# Altium PCB PMSM_Motor_Controller_v2_PCB.PcbDoc (part 1 of 3) (continued)
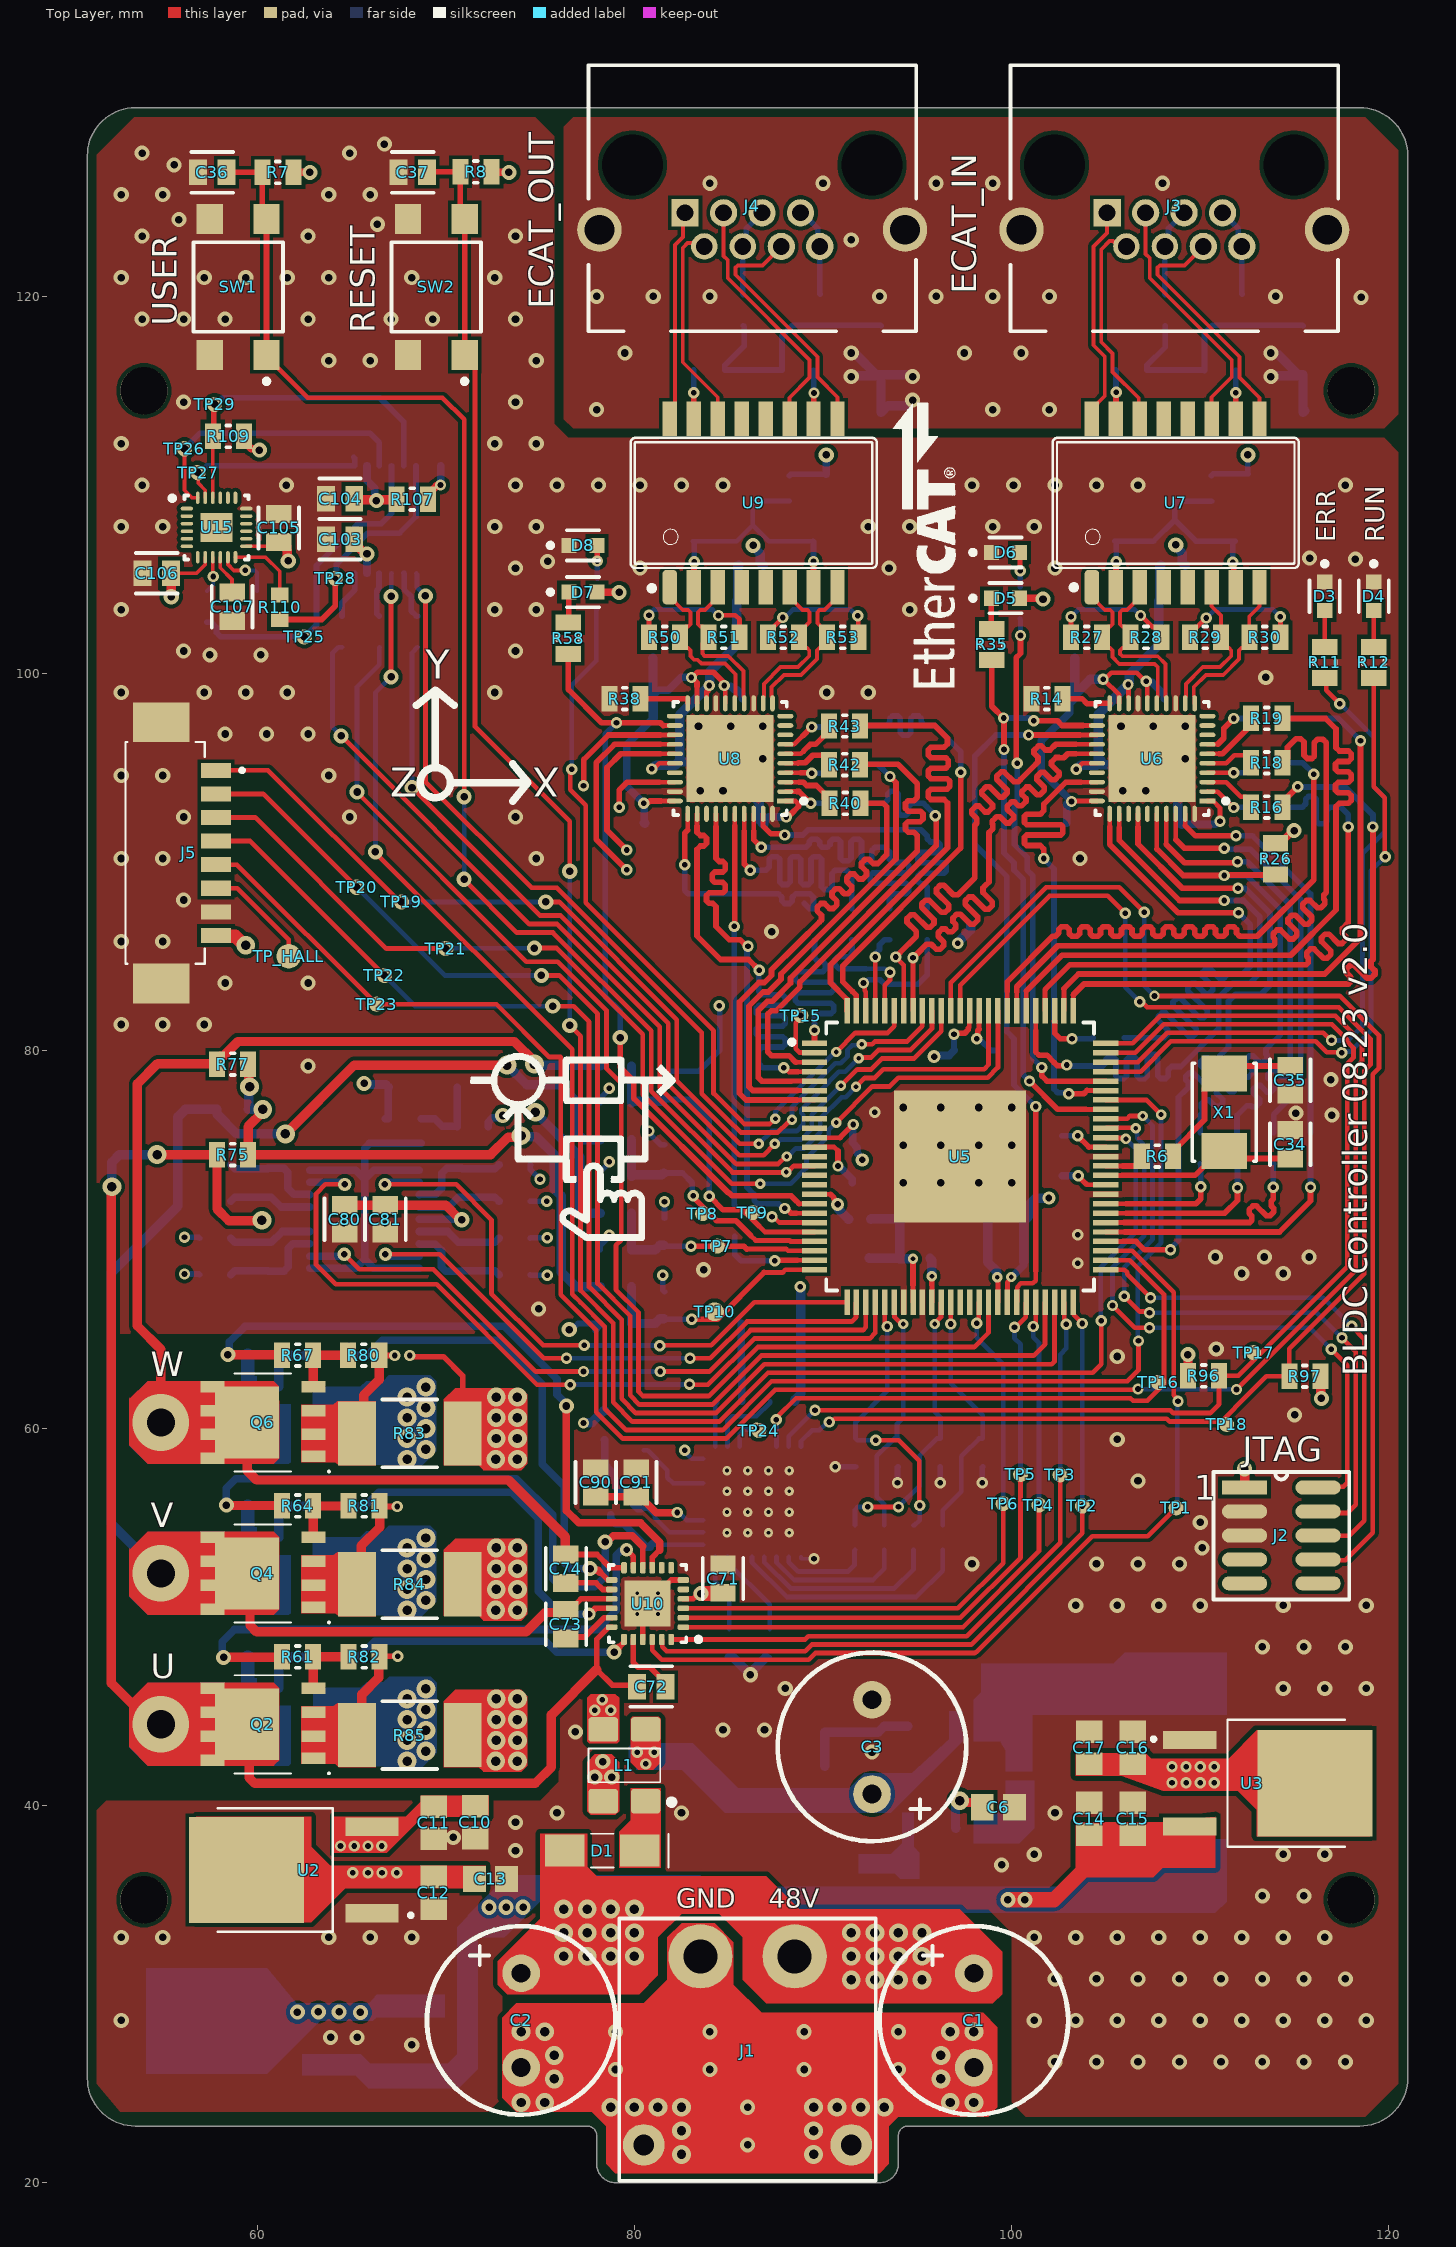
[diagram p0: Top Layer view]
## Footprints (in the part's own frame and the unit in brackets; to place one, negate y for a bottom-side part, rotate by r counter-clockwise, add the part's x,y. Pads: shape width x height; smd on the part's side, far side on the other; paste and mask are expansions set on the pad)
2X5_JTAG_HEADER [mm] "2X5_JTAG_HEADER"
  rect 2.4x0.75 smd: 1(-1.95,2.55)
  oval 2.4x0.75 smd: 2(1.95,2.55) 3(-1.95,1.28) 4(1.95,1.28) 5(-1.95,0.01) 6(1.95,0.01) 7(-1.95,-1.26) 8(1.95,-1.26) 9(-1.95,-2.53) 10(1.95,-2.53)
  silkscreen extent -3.6,-3.38 3.6,3.38, body extent -3.6,-3.18 3.6,3.17, height 7.7
438600010 [mm]
  rect 1.446x1.446 hole 0.89: 1(0,0)
  round 1.4 hole 0.89: 2(-1.02,1.78) 4(-3.06,1.78)
  round 1.446 hole 0.89: 3(-2.04,0) 5(-4.08,0) 6(-5.1,1.78) 7(-6.12,0) 8(-7.14,1.78)
  round 2.355 hole 1.57: MH1(4.54,0.89) MH2(-11.66,0.89)
  round 1.625 hole 3.25: MH3(2.79,-2.54) MH4(-9.91,-2.54)
  silkscreen extent -12.25,-7.82 5.13,6.28, body extent -12.57,-8.24 5.49,7.93, height 14.23
744235601 [mm]
  rrect22% 1.3x1.55 smd: 1(-1.9,-1.125) 2(1.9,-1.125) 3(1.9,1.125) 4(-1.9,1.125)
  silkscreen extent -0.9,-1.9 0.9,1.9, body extent -2.25,-1.6 2.25,1.6, height 2.81
AMPHENOL_10114830-11108LF [mm]
  rect 0.8x1.6 smd: 1(-4.375,2.7) 2(-3.125,2.7) 3(-1.875,2.7) 4(-0.625,2.7) 5(0.625,2.7) 6(1.875,2.7) 7(3.125,2.7) 8(4.375,2.7)
  rect 2.1x3 smd: S1(-6.925,-0.2) S2(6.925,-0.2)
  silkscreen extent -5.87,-2.1 5.87,4.18, body extent -7.57,-2.1 7.57,3.2, height 3.4
CAP_0805N [mm] "Chip Capacitor, 2-Leads, Body 2.00x1.25mm, IPC Medium Density"
  rect 1.2x1.4 smd: 1(-0.85,0) 2(0.85,0)
  body extent -1,-0.62 1,0.63, height 0.88
CAP_POL_10x12 [mm]
  round 2 hole 1: 1(-2.5,0) 2(2.5,0)
  silkscreen extent -5,-5 5,5, body extent -4.99,-5 5,5, height 12.51
CAP_POL_10x20 [mm]
  round 2 hole 1: 1(-2.5,0) 2(2.5,0)
  silkscreen extent -5,-5 5,5, body extent -5,-5 5,5, height 20.01
CAPCP3528X20N [mm] "Chip Capacitor, 2-Leads, Body 3.50x2.80mm, IPC Medium Density"
  rect 1.35x2.59 smd: 1(-1.4,0) 2(1.4,0)
  silkscreen extent -0.15,-1.65 2.35,1.2, body extent -1.75,-1.4 1.75,1.4, height 2.11
DO-214AC [mm]
  rect 2.1x1.7 smd: 1(-1.985,0) 2(1.985,0)
  silkscreen extent -0.6,-0.9 3.51,0.9, body extent -2.6,-1.3 2.6,1.3, height 2.42
FB_0603 [mm] "Chip Inductor, 2-Leads, Body 1.6x0.8mm"
  rect 0.85x0.95 smd: 1(-0.775,0) 2(0.775,0)
  body extent -0.8,-0.4 0.8,0.4, height 0.79
FDMS86182 [mm]
  rect 0.61x1.27 smd: D(-1.905,2.67) D(-0.635,2.67) D(0.635,2.67) D(1.905,2.67) G(1.905,-2.67) S(-1.8,-2.67) S(-0.635,-2.67) S(0.635,-2.67)
  rect 3.81x3.39 smd: D(0,0.84)
  silkscreen extent -2.65,-3.55 2.6,1.5, body extent -2.55,-3.1 2.55,3.1, height 1.01
FP-ABM3-MFG [mm]
  rect 1.9x2.4 smd paste+0 mask+0: 1(-2.05,0) 2(2.05,0)
  silkscreen extent -2.6,-1.7 2.6,1.7, body extent -3.1,-1.8 3.1,1.8, height 0.25
FP-BLM18-0_15-t0_8-IPC_B [mm]
  rect 1.106x0.958 smd paste+0 mask+0: 1(-0.676,0) 2(0.676,0)
  silkscreen extent -1.23,-0.88 1.23,0.88, body extent -0.8,-0.4 0.8,0.4, height 0.95
FP-BLM18-0_15-t0_8-IPC_C [mm]
  rect 0.906x0.858 smd paste+0 mask+0: 1(-0.576,0) 2(0.576,0)
  silkscreen extent -1.03,-0.87 1.03,0.87, body extent -0.8,-0.4 0.8,0.4, height 0.95
FP-C0805C-DN-MFG [mm]
  rect 0.95x1.35 smd paste+0 mask+0: 1(-0.75,0) 2(0.75,0)
  silkscreen extent -1.1,-1.07 1.1,1.07, body extent -1,-0.63 1,0.63, height 0.88
FP-CC1206-0_3-1_45-IPC_C [mm]
  rect 1.203x1.706 smd paste+0 mask+0: 1(-1.3,0) 2(1.3,0)
  silkscreen extent -0.4,-0.9 0.4,0.9, body extent -1.6,-0.8 1.6,0.8, height 1.45
FP-LTST-C191GKT-MFG [mm]
  rect 0.8x0.8 smd paste+0 mask+0: 1(-0.75,0) 2(0.75,0)
  silkscreen extent -1.85,-0.8 0.85,0.8, body extent -1.25,-0.55 1.25,0.55, height 0.25
FP-PG-LQFP-100-MFG [mm]
  rect 1.35x0.29 smd paste+0 mask+0: 1(-7.725,6) 2(-7.725,5.5) 3(-7.725,5) 4(-7.725,4.5) 5(-7.725,4) 6(-7.725,3.5) 7(-7.725,3) 8(-7.725,2.5) 9(-7.725,2) 10(-7.725,1.5) 11(-7.725,1) 12(-7.725,0.5) 13(-7.725,0) 14(-7.725,-0.5) 15(-7.725,-1) 16(-7.725,-1.5) 17(-7.725,-2) 18(-7.725,-2.5) 19(-7.725,-3) 20(-7.725,-3.5) 21(-7.725,-4) 22(-7.725,-4.5) 23(-7.725,-5) 24(-7.725,-5.5) 25(-7.725,-6) 51(7.725,-6) 52(7.725,-5.5) 53(7.725,-5) 54(7.725,-4.5) 55(7.725,-4) 56(7.725,-3.5) 57(7.725,-3) 58(7.725,-2.5) 59(7.725,-2) 60(7.725,-1.5) 61(7.725,-1) 62(7.725,-0.5) 63(7.725,0) 64(7.725,0.5) 65(7.725,1) 66(7.725,1.5) 67(7.725,2) 68(7.725,2.5) 69(7.725,3) 70(7.725,3.5) 71(7.725,4) 72(7.725,4.5) 73(7.725,5) 74(7.725,5.5) 75(7.725,6)
  rect 0.29x1.35 smd paste+0 mask+0: 26(-6,-7.725) 27(-5.5,-7.725) 28(-5,-7.725) 29(-4.5,-7.725) 30(-4,-7.725) 31(-3.5,-7.725) 32(-3,-7.725) 33(-2.5,-7.725) 34(-2,-7.725) 35(-1.5,-7.725) 36(-1,-7.725) 37(-0.5,-7.725) 38(0,-7.725) 39(0.5,-7.725) 40(1,-7.725) 41(1.5,-7.725) 42(2,-7.725) 43(2.5,-7.725) 44(3,-7.725) 45(3.5,-7.725) 46(4,-7.725) 47(4.5,-7.725) 48(5,-7.725) 49(5.5,-7.725) 50(6,-7.725) 76(6,7.725) 77(5.5,7.725) 78(5,7.725) 79(4.5,7.725) 80(4,7.725) 81(3.5,7.725) 82(3,7.725) 83(2.5,7.725) 84(2,7.725) 85(1.5,7.725) 86(1,7.725) 87(0.5,7.725) 88(0,7.725) 89(-0.5,7.725) 90(-1,7.725) 91(-1.5,7.725) 92(-2,7.725) 93(-2.5,7.725) 94(-3,7.725) 95(-3.5,7.725) 96(-4,7.725) 97(-4.5,7.725) 98(-5,7.725) 99(-5.5,7.725) 100(-6,7.725)
  rect 7x7 smd paste+0 mask+0: 101(0,0)
  silkscreen extent -9.05,-7.1 7.1,7.1, body extent -8.5,-8.5 8.5,8.5, height 0.25
FP-RTA0040A-IPC_B [mm]
  rect 0.856x0.242 smd paste+0 mask+0: 1(-2.928,2.25)
  rrect100% 0.856x0.242 smd paste+0 mask+0: 2(-2.928,1.75) 3(-2.928,1.25) 4(-2.928,0.75) 5(-2.928,0.25) 6(-2.928,-0.25) 7(-2.928,-0.75) 8(-2.928,-1.25) 9(-2.928,-1.75) 10(-2.928,-2.25) 21(2.928,-2.25) 22(2.928,-1.75) 23(2.928,-1.25) 24(2.928,-0.75) 25(2.928,-0.25) 26(2.928,0.25) 27(2.928,0.75) 28(2.928,1.25) 29(2.928,1.75) 30(2.928,2.25)
  rrect100% 0.242x0.856 smd paste+0 mask+0: 11(-2.25,-2.928) 12(-1.75,-2.928) 13(-1.25,-2.928) 14(-0.75,-2.928) 15(-0.25,-2.928) 16(0.25,-2.928) 17(0.75,-2.928) 18(1.25,-2.928) 19(1.75,-2.928) 20(2.25,-2.928) 31(2.25,2.928) 32(1.75,2.928) 33(1.25,2.928) 34(0.75,2.928) 35(0.25,2.928) 36(-0.25,2.928) 37(-0.75,2.928) 38(-1.25,2.928) 39(-1.75,2.928) 40(-2.25,2.928)
  rect 4.6x4.6 smd paste-1000 mask+0: 41(0,0)
  silkscreen extent -4.03,-3 3,3, body extent -3.61,-3.61 3.61,3.61, height 0.25
FP-TL3305AF260QG-MFG [mm]
  rect 1.6x1.4 smd paste+0 mask+0: 1(-3.6,-1.5) 2(3.6,-1.5) 3(-3.6,1.5) 4(3.6,1.5)
  silkscreen extent -5.12,-2.37 2.37,2.37, body extent -4.5,-2.47 4.5,2.47, height 0.25
INDP125125X65N [mm] "Precision Wire Wound Inductor, 2-Leads, Body 12.50x12.50mm, IPC Medium Density"
  rect 3.3x5.4 smd: 1(-4.95,0) 2(4.95,0)
  silkscreen extent -6.4,-6.4 6.4,6.4, body extent -6.25,-6.25 6.25,6.25, height 6.01
NCP1117DT50G [mm] "LDO 5V"
  rect 2.83x0.97 smd: 1(-4.14,2.29) 3(-4.14,-2.29)
  rect 6.09x5.63 smd paste-4: 2(2.51,0)
  silkscreen extent -6.3,-3.27 4.03,3.27, body extent -4.95,-3.25 4.95,3.25, height 2.39
NCV1117DT33T5G [mm] "NCV1117DT33T5G 3.3V LDO"
  rect 2.83x0.97 smd: 1(-4.14,2.29) 3(-4.14,-2.29)
  rect 6.09x5.63 smd paste-4: 2(2.51,0)
  silkscreen extent -6.15,-3.37 4.09,3.37, body extent -4.95,-3.25 4.95,3.25, height 2.39
"Pad 1mm"#1 [mm] "Pad 1mm"
  round 0.8 smd: 1(0,0)
"Pad 1mm"#2 [mm] "Pad 1mm"
  round 1 smd: 1(0,0)
"Pad 1mm"#3 [mm] "Pad 1mm"
  round 0.7 smd: 1(0,0)
"Pad 1mm"#4 [mm] "Pad 1mm"
  round 1.3 smd: 1(0,0)
PQFN50P400X400X100_HS-25N [mm] "PQFN, 24-Leads, Body 4.00x4.00mm, Pitch 0.50mm, Thermal Pad 2.45x2.45mm, IPC Medium Density"
  rrect50% 0.6x0.3 smd mask+0.05: 1(-1.9,1.25) 2(-1.9,0.75) 3(-1.9,0.25) 4(-1.9,-0.25) 5(-1.9,-0.75) 6(-1.9,-1.25) 13(1.9,-1.25) 14(1.9,-0.75) 15(1.9,-0.25) 16(1.9,0.25) 17(1.9,0.75) 18(1.9,1.25)
  rrect50% 0.3x0.6 smd mask+0.05: 7(-1.25,-1.9) 8(-0.75,-1.9) 9(-0.25,-1.9) 10(0.25,-1.9) 11(0.75,-1.9) 12(1.25,-1.9) 19(1.25,1.9) 20(0.75,1.9) 21(0.25,1.9) 22(-0.25,1.9) 23(-0.75,1.9) 24(-1.25,1.9)
  rect 2.45x2.45 smd: 25(0,0)
  silkscreen extent -2.83,-2.05 2.05,2.05, body extent -2,-2 2,2, height 0.91
PT61017PEL [mil] "PT61017PEL transformer"
  rrect50% 30x71.5 smd: 1(-175,-175.75)
  rect 30x71.5 smd: 2(-125,-175.75) 3(-75,-175.75) 4(-25,-175.75) 5(25,-175.75) 6(75,-175.75) 7(125,-175.75) 8(175,-175.75) 9(175,175.75) 10(125,175.75) 11(75,175.75) 12(25,175.75) 13(-25,175.75) 14(-75,175.75) 15(-125,175.75) 16(-175,175.75)
  silkscreen extent -257,-136 257,136, body extent -252,-183 252,183, height 222
PW0016A_L [mm] "SOP, 16-Leads, Body 5.1x4.5mm, Pitch 0.65mm, IPC High Density"
  rrect25% 1.2x0.4 smd mask+0.05: 1(-2.85,2.275) 2(-2.85,1.625) 3(-2.85,0.975) 4(-2.85,0.325) 5(-2.85,-0.325) 6(-2.85,-0.975) 7(-2.85,-1.625) 8(-2.85,-2.275) 9(2.85,-2.275) 10(2.85,-1.625) 11(2.85,-0.975) 12(2.85,-0.325) 13(2.85,0.325) 14(2.85,0.975) 15(2.85,1.625) 16(2.85,2.275)
  silkscreen extent -2.97,-2.55 1.85,3.15, body extent -3.21,-2.5 3.21,2.5, height 1
QFN65P600X600X100_HS-33N [mm] "QFN, 32-Leads, Body 6.00x6.00mm, Pitch 0.65mm, Thermal Pad 4.65x4.65mm, IPC Medium Density"
  oval 0.8x0.25 smd mask+0.05: 1(-2.925,2.275) 8(-2.925,-2.275) 17(2.925,-2.275) 24(2.925,2.275)
  oval 0.8x0.25 smd: 2(-2.925,1.625) 3(-2.925,0.975) 4(-2.925,0.325) 5(-2.925,-0.325) 6(-2.925,-0.975) 7(-2.925,-1.625) 18(2.925,-1.625) 19(2.925,-0.975) 20(2.925,-0.325) 21(2.925,0.325) 22(2.925,0.975) 23(2.925,1.625)
  oval 0.25x0.8 smd mask+0.05: 9(-2.275,-2.925) 16(2.275,-2.925) 25(2.275,2.925) 32(-2.275,2.925)
  oval 0.25x0.8 smd: 10(-1.625,-2.925) 11(-0.975,-2.925) 12(-0.325,-2.925) 13(0.325,-2.925) 14(0.975,-2.925) 15(1.625,-2.925) 26(1.625,2.925) 27(0.975,2.925) 28(0.325,2.925) 29(-0.325,2.925) 30(-0.975,2.925) 31(-1.625,2.925)
  rect 4.15x4.15 smd: 33(0,0)
  silkscreen extent -3.92,-3.15 3.15,3.15, body extent -3,-3 3,3, height 1
RES_0805N [mm] "Chip Resistor, 2-Leads, Body 2.1x1.35mm, IPC Medium Density"
  rect 1x1.35 smd: 1(-0.9,0) 2(0.9,0)
  body extent -1.05,-0.68 1.05,0.67, height 0.6
RESC1609X50X30NL8T20 [mm] "Chip Resistor, 2-Leads, Body 1.65x0.95mm, IPC Medium Density"
  rect 0.8x0.95 smd: 1(-0.65,0) 2(0.65,0)
  body extent -0.82,-0.48 0.82,0.48, height 0.5
RESC2013X50X30LL20T20 [mm] "Chip Resistor, 2-Leads, Body 2.00x1.25mm, IPC High Density"
  rect 0.85x1.35 smd: 1(-0.825,0) 2(0.825,0)
  silkscreen extent -0.1,-0.58 0.1,0.58, body extent -1.1,-0.72 1.1,0.72, height 0.5
RESC6432X08N [mm] "Chip Resistor, 2-Leads, Body 6.40x3.20mm, IPC Medium Density"
  rect 2x3.4 smd: 1(-2.8,0) 2(2.8,0)
  silkscreen extent -1.45,-1.8 1.45,1.8, body extent -3.18,-1.63 3.18,1.63, height 0.62
SOIC-8 [mm]
  rrect22% 1.55x0.6 smd: 1(-2.7,1.905) 2(-2.7,0.635) 3(-2.7,-0.635) 4(-2.7,-1.905) 5(2.7,-1.905) 6(2.7,-0.635) 7(2.7,0.635) 8(2.7,1.905)
  silkscreen extent -1.4,-2.54 1.4,2.54, body extent -3,-2.45 3,2.45, height 1.75
SOT65P210X110-5N [mm]
  rect 1.2x0.4 smd mask+0.05: 1(-0.95,0.65) 2(-0.95,0)
  rect 1.2x0.4 smd paste-2539.97 mask+0.05: 3(-0.95,-0.65)
  rect 1.2x0.4 smd: 4(0.95,-0.65) 5(0.95,0.65)
  silkscreen extent -1.55,1.1 -0.35,1.1, body extent 0,0 0,0, height 1.27
TDK-QFN-24_L [mm] "QFN, 24-Leads, Body 3.10x3.10mm, Pitch 0.40mm, Thermal Pad 1.70x1.54mm, IPC High Density"
  oval 0.65x0.2 smd mask+0.05: 1(-1.575,1) 2(-1.575,0.6) 3(-1.575,0.2) 4(-1.575,-0.2) 5(-1.575,-0.6) 6(-1.575,-1) 13(1.575,-1) 14(1.575,-0.6) 15(1.575,-0.2) 16(1.575,0.2) 17(1.575,0.6) 18(1.575,1)
  oval 0.2x0.65 smd mask+0.05: 7(-1,-1.575) 8(-0.6,-1.575) 9(-0.2,-1.575) 10(0.2,-1.575) 11(0.6,-1.575) 12(1,-1.575) 19(1,1.575) 20(0.6,1.575) 21(0.2,1.575) 22(-0.2,1.575) 23(-0.6,1.575) 24(-1,1.575)
  rect 1.7x1.54 smd: 25(0,0)
  silkscreen extent -2.47,-1.7 1.7,1.7, body extent -1.55,-1.55 1.55,1.55, height 1.05
TSOP65P640X120-20N [mm] "TSOP, 20-Leads, Body 6.50x4.40mm, Pitch 0.65mm, IPC Medium Density"
  rrect50% 1.5x0.45 smd: 1(-2.9,2.925) 2(-2.9,2.275) 3(-2.9,1.625) 4(-2.9,0.975) 5(-2.9,0.325) 6(-2.9,-0.325) 7(-2.9,-0.975) 8(-2.9,-1.625) 9(-2.9,-2.275) 10(-2.9,-2.925) 11(2.9,-2.925) 12(2.9,-2.275) 13(2.9,-1.625) 14(2.9,-0.975) 15(2.9,-0.325) 16(2.9,0.325) 17(2.9,0.975) 18(2.9,1.625) 19(2.9,2.275) 20(2.9,2.925)
  silkscreen extent -3.03,-3.3 1.85,3.82, body extent -3.2,-3.25 3.2,3.25, height 1.14
XT30_PCB [mm]
  round 3.4 hole 1.8: 1(-2.5,-5) 2(2.5,-5)
  round 2.2 hole 1.1: g(-5.5,5) g(5.5,5)
  silkscreen extent -6.8,-7 6.8,6.9, body extent -6.65,-6 6.65,7.95, height 5

## Part data
C1 C2: library part CAP_POL/220u/63V, "Aluminum Electrolytic Capacitors - Radial Leaded 220uF 63V 20% Radial", Manufacturer=Murata, Part Number=GRM31CR61A107ME05L, Distributor=Mouser, Distributor ID=81-GRM31CR61A107ME5L
C3: library part CAP_POL/100u/63V, "Aluminum Electrolytic Capacitors - Radial Leaded WCAP-ATUL 100uF 63V 20% Radial", Manufacturer=Murata, Part Number=GRM31CR61A107ME05L, Distributor=Mouser, Distributor ID=81-GRM31CR61A107ME5L
C4 C5 C6 C9 C11 C12 C15 C16 C19 C20: library part CAP_MLCC/100n/100V/0805, "Multilayer Ceramic Capacitors MLCC - SMD/SMT 100V 0.1uF X7R 0805 10%", Manufacturer=KEMET, Part Number=C0805C104J5RACTU, Distributor=Mouser, Distributor ID=80-C0805C104J5R
C7: library part CAP_POL/22u/16V, "Tantalum Capacitors - Solid SMD 22uF 16V 10% L ESR", Manufacturer=Murata, Part Number=GRM31CR61A107ME05L, Distributor=Mouser, Distributor ID=81-GRM31CR61A107ME5L
C8 C10 C13 C14 C17 C18 C21: library part CAP_MLCC/10u/16V/0805, "Multilayer Ceramic Capacitors MLCC - SMD/SMT 10UF 16V 10% 0805", Manufacturer=Murata, Part Number=C0805C106K8PACTU, Distributor=Mouser, Distributor ID=80-C0805C106K8P
C22 C23 C24 C25 C26 C27 C28 C29 C30 C31 C32 C33 C34 C35 C36 C37 C38 C39 C40 C41 C42 C43 C44 C45 C46 C47 C48 C49 C50 C51 C52 C55 C56 C57 C58 C59 C60 C61 C62 C63 C64 C65 C66 C67 C68 C71 C72 C73 C74 C75 C76 C77 C78 C79 C80 C81 C82 C83 C84 C85 C86 C87 C88 C89 C90 C91 C92 C93 C94 C95 C96 C97 C98 C99 C100 C101 C102 C103 C104 C105 C106 C107: library part CMP-2007-00279-2, "CAP CER 0.1UF 50V X7R 0805", Capacitance="0.10 μF", Manufacturer=KEMET, Manufacturer Part Number=C0805C104K5RACTU, Package=C0805C-DN, Temperature="-55°C to +125°C", Temperature Characteristic=X7R, Temperature Coefficient=30ppm/°C, Temperature Range High=+125°C, Temperature Range Low=-55°C, Tolerance=0.1, Voltage Rating="50 V", Automotive=No, Category=Cap, ComponentLink2Description=Datasheet, ComponentLink2URL=https://content.kemet.com/datasheets/KEM_C1003_C0G_SMD.pdf, Device Class L1="Passive Components", Device Class L2=Capacitors, Device Class L3="Ceramic Capacitors", Digikey Description="CAP CER 0.1UF 50V X7R 0805", Height=0.88mm, Ipc Land Pattern Name=CAPC200125X78, Lead Free=Yes, Material=Ceramic, Mouser Description="Cap Ceramic 0.1uF 50V X7R 10% SMD 2.0 x 1.2 mm 125 C Paper T/R", Octopart=https://octopart.com/c0805c104k5ractu-kemet-143926, RoHS=TRUE
C53 C54 C69 C70: library part CMP-2000-05436-2, "1nF/2kV/1206", Capacitance=1nF, Case Code (Imperial)=1206, Case Code (Metric)=3216, Dielectric=X7R, Insulation Resistance=10GR, Max Operating Temperature=125°C, Min Operating Temperature=-55°C, Package Quantity=1, Resistor Type=Ceramic, Tolerance=10%, Voltage=2kV, Case/Package=1206, Construction=Flat, Depth=1.6mm, Dissipation Factor=2.5%, Height=1.25mm, Lead Free="Lead Free", Length=3.2mm, Mount="Surface Mount", Number of Pins=2, Packaging="Tape and Reel", Radiation Hardening=No, RoHS Compliant=Yes, Series=CC, Termination=SMD/SMT, Thickness=0.057inch, Voltage Rating=2kV, Voltage Rating (DC)=2kV, Width=0.063inch
D1 D2: "Schottky Diodes & Rectifiers SCHOTTKY BARRIER DIODE", Manufacturer="ROHM Semiconductor", Part Number=RBR2L60ADDTE25, Distributor=Mouser, Distributor ID=755-RBR2L60ADDTE25
D3 D4 D6 D8: library part CMP-22017-000029-1, "KPHD-1608LVCGCK", Case Code (Imperial)=0603, Case Code (Metric)=1608, Color=Green, Forward Current=30mA, Forward Voltage=2.1V, Lens Color=Colorless, Max Operating Temperature=85°C, Min Operating Temperature=-55°C, Package Quantity=1, Power Dissipation=100mW, Reverse Voltage=5V, Test Current=20mA, Case/Package=0603, Depth=0.8mm, Dominant Wavelength=569nm, Height=0.55mm, Illumination Color=Green, Lead Free="Lead Free", Length=1.6mm, Lens Style=Clear, Lens Transparency=Clear, Luminous Intensity=12mcd, Mount="Surface Mount", Number of Elements=1, Number of LEDs=1, Number of Pins=2, Packaging="Tape and Reel", Power Rating=100mW, Radiation Hardening=No, Viewing Angle=130°, Wavelength=565nm, Width=0.8mm
D5 D7: library part CMP-22017-000029-1, "KPHD-1608LVSYCK", Case Code (Imperial)=0603, Case Code (Metric)=1608, Color=Green, Forward Current=30mA, Forward Voltage=2.1V, Lens Color=Colorless, Max Operating Temperature=85°C, Min Operating Temperature=-55°C, Package Quantity=1, Power Dissipation=100mW, Reverse Voltage=5V, Test Current=20mA, Case/Package=0603, Depth=0.8mm, Dominant Wavelength=569nm, Height=0.55mm, Illumination Color=Green, Lead Free="Lead Free", Length=1.6mm, Lens Style=Clear, Lens Transparency=Clear, Luminous Intensity=12mcd, Mount="Surface Mount", Number of Elements=1, Number of LEDs=1, Number of Pins=2, Packaging="Tape and Reel", Power Rating=100mW, Radiation Hardening=No, Viewing Angle=130°, Wavelength=565nm, Width=0.8mm
FB1: library part CMP-06046-002563-1, "Chip Ferrite Bead, 0603, 60Ω @ 100MHz, 0.1Ω, , 1A /  / BLM18PG600SH1D", Case Code (Imperial)=0603, Case Code (Metric)=1608, Current Rating=500mA, DC Resistance (DCR)=100mR, Max Operating Temperature=125°C, Min Operating Temperature=-55°C, Package Quantity=4000, Ratings=AEC-Q200, Test Frequency=100MHz, Tolerance=25%, Case/Package=0603, Contact Plating=Tin, Height=0.8mm, Impedance=60R, Length=1.6mm, Material=Steel, Max Current Rating=500mA, Max DC Current=500mA, Mount="Surface Mount", Number of Circuits=1, Number of Lines=1, Packaging="Tape and Reel", REACH SVHC="No SVHC", RoHS Compliant=Yes, Series="EMIFIL®, BLM18P", Shielding=Unshielded, Termination=SMD/SMT, Width=0.8mm
FB2 FB3: library part CMP-0686-00575-3, "Chip Ferrite Bead, 0603, 60Ω @ 100MHz, 0.1Ω, , 1A", Case Code (Imperial)=0603, Case Code (Metric)=1608, Current Rating=500mA, DC Resistance (DCR)=100mR, ESR (Equivalent Series Resistance)=60R, Frequency=100MHz, Max Operating Temperature=125°C, Min Operating Temperature=-55°C, Package Quantity=1, Tolerance=25%, Case/Package=0603, Core Material=Ferrite, Depth=0.8mm, Height=0.8mm, Impedance=60R, Lead Free="Lead Free", Length=1.6mm, Material=Steel, Max Current Rating=500mA, Max DC Current=500mA, Number of Circuits=1, Number of Lines=1, Number of Pins=2, Packaging="Tape and Reel", REACH SVHC="No SVHC", Resistance=100mR, RoHS Compliant=Yes, Shielding=Unshielded, Termination=SMD/SMT, Test Frequency=100MHz, Width=0.8mm
FB4: library part FB/MMZ1608B102CTA00, "Ferrite Beads 1K OHM 25%", Manufacturer=TDK, Part Number=MMZ1608B102CTA00, Distributor=Mouser, Distributor ID=810-MMZ1608B102CTA00
J1: library part XT30_PCB, "Gniazdo; zasilające DC; XT30; męskie; PIN: 2; na PCB; THT; 15A; 500V"
J2: library part 5x2_1,27mm_JTAG, "MOLEX for JTAG, 5x2, 1,27 mm"
J3 J4: library part 43860-0010, "Modular Jack Right Angle 8/8 RJ45 Invert Molex Cat3 RJ45 Modular Jack Socket, Right Angle, Through Hole 43860 / 43860-0010", Manufacturer_Name=Molex, Mouser Part Number=538-43860-0010, Datasheet Link=https://www.molex.com/webdocs/datasheets/pdf/en-us/0438600010_MODULAR_JACKS_PLUG.pdf, Geometry.Height=13.79mm, Manufacturer_Part_Number=43860-0010, Mouser Price/Stock=https://www.mouser.co.uk/ProductDetail/Molex/43860-0010?qs=qjii0NTOo%252B4EzowI%2FkFJuQ%3D%3D
J5: library part 10114830-11108LF, "1.25mm Wire to Board Wafer, Right Angle, Surface Mount, 8 Positions", Package=None, Availability="In Stock", Check_prices=https://www.snapeda.com/parts/10114830-11108LF/Amphenol+FCI/view-part/?ref=eda, MF="Amphenol ICC", MP=10114830-11108LF, Price=None, Purchase-URL=https://pricing.snapeda.com/search?q=10114830-11108LF&ref=eda, SnapEDA_Link=https://www.snapeda.com/parts/10114830-11108LF/Amphenol+FCI/view-part/?ref=snap
L1: library part CMC_744235601, "Common Mode Chokes / Filters WE-CNSW 1812 1200mA 1uH 100kHz AECQ200", Manufacturer="Würth Elektronik", Part Number=744282010, Distributor 1=Digikey, Distributor 1 ID=732-2965-1-ND
L2: library part SRR1260-221K, "Fixed Inductors 220uH 10% SMD 1260", Manufacturer=Bourns, Distributor=Mouser, Distributor ID=652-SRR1260-221K, Part Number=SRR1260-221K
Q1 Q2 Q3 Q4 Q5 Q6: "MOSFET PTNG 100/20V Nch Power Trench MOSFET", Manufacturer=Onsemi, ComponentLink1Description=Datasheet, ComponentLink1URL=https://www.mouser.pl/datasheet/2/308/1/FDMS86182_D-2312683.pdf, ComponentLink2Description="Distributor 1", ComponentLink2URL=https://www.mouser.pl/ProductDetail/onsemi-Fairchild/FDMS86182?qs=V471yVjZJ9utOAPYzzuTZA%3D%3D, Distributor 1=Mouser, Distributor 1 ID=512-FDMS86182, Part Number=FDMS86182
R1: library part RES/1M/1%/0805, "Thick Film Resistors - SMD .125watt 1Mohms 1% 0805 100ppm", Manufacturer=Vishay, Part Number=CRCW080510R0FKEAC, Distributor=Mouser, Distributor ID=71-CRCW080510R0FKEAC
R2 R3 R4: library part RES/137k/1%/0805, "Thick Film Resistors - SMD 1/8Watt 137kohms 1% Commercial Use", Manufacturer=Vishay, Part Number=CRCW080510R0FKEAC, Distributor=Mouser, Distributor ID=71-CRCW080510R0FKEAC
R5 R6 R7 R8 R96 R97: library part CMP-2001-04896-1, Manufacturer="Vishay Dale", Part Number=CRCW08050000Z0EA
R9 R10 R11 R12 R14 R15 R16 R17 R18 R19 R20 R21 R22 R23 R24 R25 R26 R27 R28 R29 R30 R31 R32 R33 R34 R35 R36 R38 R39 R40 R41 R42 R43 R44 R45 R46 R47 R48 R49 R50 R51 R52 R53 R54 R55 R56 R57 R58 R59 R60 R61 R62 R63 R64 R65 R66 R67 R68 R69 R70 R71 R72 R73 R74 R75 R76 R77 R78 R79 R80 R81 R82 R86 R87 R88 R89 R90 R91 R92 R93 R94 R95 R104 R105 R106 R107 R108 R109 R111: library part CMP-2001-04896-1, "0805", Manufacturer="Vishay Dale", Part Number=CRCW08050000Z0EA
R13 R37: library part CMP-2000-03816-5, "0603", Manufacturer="Vishay Semiconductor", Max Operating Temperature="155 degC", Min Operating Temperature="-55 degC", Package Quantity=5000, Voltage Rating="75 V", ComponentLink1Description="Manufacturer URL", ComponentLink1URL=http://www.vishay.com/, ComponentLink2Description=Datasheet, ComponentLink2URL=http://www.vishay.com/docs/20035/dcrcwe3.pdf, DatasheetVersion=06/2012, Height="0.45 mm", Length="1.55 mm", Mount="Surface Mount", Mounting Technology="Surface Mount", PackageDescription="2-Pin Surface Mount Device, Body 1.575 x 0.85 mm", PackageReference=0603, Packaging="Tape and Reel", Pins=2, REACH SVHC=Unknown, RoHSCompliant=true
R83 R84 R85: library part RES/5mR/1%/2512, "Current Sense Resistors - SMD 0.005ohms 1% 75PPM", Manufacturer=Vishay, Part Number=CRCW0402100RFKEDC, Distributor=Mouser, Distributor ID=71-CRCW0402100RFKEDC
R98 R99 R100 R101 R102 R103 R110: library part CMP-2000-03816-5, "Chip Resistor, 0 Ohm, Jumper, 100 mW, -55 to 155 degC, 0603 (1608 Metric), RoHS, Tape and Reel", Manufacturer="Vishay Semiconductor", Max Operating Temperature="155 degC", Min Operating Temperature="-55 degC", Package Quantity=5000, Voltage Rating="75 V", ComponentLink1Description="Manufacturer URL", ComponentLink1URL=http://www.vishay.com/, ComponentLink2Description=Datasheet, ComponentLink2URL=http://www.vishay.com/docs/20035/dcrcwe3.pdf, DatasheetVersion=06/2012, Height="0.45 mm", Length="1.55 mm", Mount="Surface Mount", Mounting Technology="Surface Mount", PackageDescription="2-Pin Surface Mount Device, Body 1.575 x 0.85 mm", PackageReference=0603, Packaging="Tape and Reel", Pins=2, REACH SVHC=Unknown, RoHSCompliant=true
SW1 SW2: library part CMP-17879-000010-1, "SWITCH TACTILE SPST-NO 50MA 12V /  / TL3305AF260QG", Max Operating Temperature=70°C, Min Operating Temperature=-20°C, Operating Force=260gf, Actuator Type=Standard, Illumination Type=Non-Illuminated, Lead Free="Lead Free", Mechanical Life=200000Cycles, Mount="Surface Mount", Packaging="Tape and Reel", Switch Function=Off-Mom, Switch Travel=0.2mm, Termination="Gull Wing", Throw Configuration=SPST
U1: "Switching Voltage Regulators 1A, 76V, High-Efficiency MAXPower Step-Down DC-DC Converter /  / MAX5035DASA", Manufacturer="Maxim Integrated", Part Number=MAX5035DASA+, Distributor=Mouser, Distributor ID=700-MAX5035DASA
U2: "NCP1117DT50G /  / LDO 5V 1A"
U3: "LDO 3.3V /  / NCV1117DT33T5G"
U4: library part NCP1117DT18RKG, "NCP1117DT18RKG /  / LDO 1,8V 1A"
U5: library part CMP-32808-000041-1, "IC MCU 32BIT 256KB FLASH 100LQFP", RoHS Compliant=Yes
U6 U8: library part CMP-0058-00351-5, "IC TRANSCEIVER 1/1 40WQFN", Max Operating Temperature=70°C, Max Power Dissipation=264mW, Max Supply Voltage=3.6V, Min Operating Temperature=0°C, Min Supply Voltage=3V, Nominal Supply Current=92mA, Operating Supply Voltage=3.3V, Package Quantity=250, Cable Length=137m, Data Rate=100Mbps, Height=0.8mm, Interface=Serial, Lead Free="Lead Free", Length=4.6mm, Mount="Surface Mount", Number of Channels=1, Number of Pins=40, Number of Ports=1, Number of Transceivers=1, Packaging="Tape and Reel", Radiation Hardening=No, REACH SVHC="No SVHC", RoHS Compliant=Yes, Series=DP83848M, Supply Current=92mA, Termination=SMD/SMT, Width=4.6mm
U7 U9: "350 µH LAN 10/100 Base-T Pulse Transformer 1CT:1CT Surface Mount /  / PT61017PEL", Package="SMD-16 Bourns", Availability="In Stock", Check_prices=https://www.snapeda.com/parts/PT61017PEL/Bourns/view-part/?ref=eda, MF=Bourns, MP=PT61017PEL, Price=None, Purchase-URL=https://pricing.snapeda.com/search/part/PT61017PEL/?ref=eda, SnapEDA_Link=https://www.snapeda.com/parts/PT61017PEL/Bourns/view-part/?ref=snap
U10: "Gate Drivers 100-V max simple 3-phase gate driver with bootstrap diodes 24-VQFN -40 to 125", Manufacturer="Texas Instruments", Part Number=DRV8300DRGER, Distributor=Mouser, Distributor ID=595-DRV8300DRGER
U11: "Operational Amplifiers - Op Amps OPAMP", Manufacturer_Name="Texas Instruments", Mouser Part Number=595-TLV9051IDCKR, Datasheet Link=https://www.ti.com/lit/gpn/TLV9051, Geometry.Height=1.1mm, Manufacturer_Part_Number=TLV9051IDCKR, Mouser Price/Stock=https://www.mouser.co.uk/ProductDetail/Texas-Instruments/TLV9051IDCKR?qs=T3oQrply3y8HFppUE%252BGx7w%3D%3D
U12: "Current Sense Amplifiers 26V, quad channel, bi-directional, 350kHz current sense amplifier 20-TSSOP -40 to 125", Manufacturer="Texas Instruments", Part Number=INA4181A1IPWR, Distributor=Mouser, Distributor ID=595-INA4181A1IPWR
U13: "12 bit Rotary Magnetic Encoder IC", Manufacturer=RLS, Distributor=RLS, Distributor ID=AM4096, Part Number=AM4096
U14: library part CMP-2000-07336-1, "6-Bit Bidirectional Level-Shifting and Voltage Translator with Auto-Direction Sensing and +/- 15-kV ESD Protection, 1.2 to 3.6 V, -40 to 85 degC, 16-Pin TSSOP (PW), Green (RoHS & no Sb/Br), Tape and Reel", Manufacturer="Texas Instruments", Operating Temperature=-40°C~85°C, Package / Case="16-TSSOP(0.173\",4.40mmWidth)", Package Description="16-Pin Small Outline Package Integrated Circuit, Body 5 x 4.4 mm, Pitch 0.65 mm", Package Reference=PW16, Standard Package=1, Supplier Device Package=16-TSSOP, Voltage - Supply=1.2V~3.6V,1.65V~5.5V, Category=IntegratedCircuits(ICs), Data Rate=100Mbps, Datasheet URL=http://www.ti.com/general/docs/lit/getliterature.tsp?genericPartNumber=TXB0106&fileType=pdf, Datasheet Version="Rev. B, 06/2015", Differential - Input=Output:No/No, Dynamic Catalog=TXBSeries, Family=Logic-Translators, Input Type=Logic, Logic Function=Translator,Bidirectional, Manufacturer URL=http://www.ti.com/, Mounting Technology=SurfaceMount, Number of Bits=6, Number of Channels=6, Number of Outputs/Channel=1, Other Names=296-23759-1, Output Type=Logic, Packaging=CutTape(CT), Product Training Modules=VoltageLevelTranslation, Propagation Delay (Max)=4ns, Series=-
U15: library part CMP-2000-07532-1, "World’s Lowest Power 9-Axis MEMS MotionTracking(TM) Device, 1.71 to 3.6 V, -40 to 85 degC, 24-Pin QFN, RoHS, Tape and Reel", Manufacturer=TDK, Package Description="24-Pin Quad Flat No-lead Package, Body 3 x 3 mm, Pitch 0.4 mm", Package Reference=QFN-24, Datasheet URL=https://www.invensense.com/wp-content/uploads/2016/06/DS-000189-ICM-20948-v1.3.pdf, Datasheet Version="Rev. 1.3, 06/2017", Manufacturer URL=http://www.tdk.com/, Mounting Technology=SurfaceMount
X1: library part CMP-27762-007917-1, "Crystal 12MHz SMD-2 5mm x 3.2mm", Case/Package=CSMD, ESR (Equivalent Series Resistance)=60R, Frequency Stability=30ppm, Frequency Tolerance=20ppm, Load Capacitance=18pF, Max Operating Temperature=85°C, Min Operating Temperature=-40°C, Operating Frequency="12 MHz", Package Quantity=1000, Resistor Type=Ceramic, Depth=3.2mm, Frequency=12MHz, Height=0.051inch, Lead Free="Lead Free", Length=5mm, Mount="Surface Mount", Number of Pins=2, Packaging="Tape and Reel", Radiation Hardening=No, Series=ABM3, Series Resistance=60R, Termination=SMD/SMT, Tolerance=20ppm, Width=0.126inch

## Free pads (board coordinates)
  round 2.5 hole 2.5: 1(54,35) 1(54,115) 1(118,35) 1(118,115)

## Via types
v1: diameter 0.8, hole 0.4, Top Layer to Bottom Layer, tented both sides, 322 vias
v2: diameter 0.6, hole 0.3, Top Layer to Bottom Layer, tented both sides, 210 vias
v3: diameter 1, hole 0.5, Top Layer to Bottom Layer, tented both sides, 108 vias
v4: diameter 0.55, hole 0.25, Top Layer to Bottom Layer, tented both sides, 23 vias
v5: diameter 0.5, hole 0.2, Top Layer to Bottom Layer, 20 vias
v6: diameter 0.7, hole 0.35, Top Layer to Bottom Layer, tented both sides, 10 vias
v7: diameter 3, hole 1.5, Top Layer to Bottom Layer, 3 vias
v8: diameter 0.55, hole 0.3, Top Layer to Bottom Layer, tented both sides, 1 vias

## Nets (pads, with @x,y where several pads share a name; then routed paths per layer and width w, separated by ;. In a path a pad name is that pad's centre, name@x,y a point inside that pad or via, vN(x,y) a via of type N, cw(c..) or ccw(c..) an arc to the next point about the centre after c; other vN are vias at no path point)
1.8V: C20.2 C21.2 C104.1 C105.1 C106.1 R107.2 R109.2 U4.2 U14.2 U15.8 U15.13 | length 117.8
  Top Layer w0.2: C106.1@55.425,105.325 56.791,105.325 57.25,105.784 U15.8@57.25,106.175 ; U15.13@59.425,106.75 60.925,106.75 C105.1@61.15,106.975
  Top Layer w0.4: R109.2@59.3,112.575 59.3,112.325 59.698,111.927 60.048,111.927 v1(60.125,111.85)
  Top Layer w0.5: C106.1@55.425,105.325 55.438,105.313 55.438,104.087 v1(55.45,104.075) ; C105.1@61.15,106.975 61.35,106.975 61.575,106.75 61.575,106.55 61.593,106.532 61.593,106.032 v1(61.65,105.975) ; C104.1@65.15,109.275 65.215,109.21 66.29,109.21 v1(66.325,109.175) 66.363,109.212 67.362,109.212 R107.2@67.4,109.25
  Int2 (PWR) w0.5: v1(60.125,111.85) 60.125,108.75 v1(55.45,104.075) ; v1(65.475,29.025) 65.462,29.038 64.363,29.038 v1(64.35,29.05) v1(63.25,29.05) 63.238,29.038 62.109,29.038 60.4,30.747 60.4,59.4 53.675,66.125 53.675,102.3 v1(55.45,104.075) ; v1(66.325,109.175) 63.125,105.975 v1(61.65,105.975) 61.6,105.925 61.1,105.925 59.25,104.075 v1(55.45,104.075)
  Bottom Layer w0.4: U14.2@65.825,111.025 65.825,110.25 66.248,109.827 66.248,109.252 v1(66.325,109.175)
  other v1: 62.134,29.038
3.3V: C16.2 C17.2 C24.1 C25.1 C26.1 C27.1 C28.1 C47.1 C48.1 C52.1 C63.1 C64.1 C68.1 C95.1 C96.1 C103.1 D5.2 D7.2 FB1.2 FB2.1 FB3.1 FB4.1 J2.1 R7.1 R8.1 R9.2 R13.2 R26.1 R27.2 R28.2 R29.2 R30.2 R37.2 R50.2 R51.2 R52.2 R53.2 R86.1 R96.2 R97.2 R103.2 U3.2 U5.11 U5.17 U5.43 U5.60 U5.87 U14.15 | length 77.4
  Top Layer w0.25: R50.2@80.775,101.925 80.775,102.95 v2(80.775,103.1) ; v2(84.463,103.087) 84.476,103.1 85.35,103.1 85.575,102.875 R51.2@85.575,101.925 ; R52.2@87.075,101.925 87.075,102.175 v2(87.875,102.975) ; U5.17@89.55,72.4 90.4,72.4 ; U5.11@89.55,75.4 90.9,75.4 ; v2(91.85,103.075) 91.85,102.95 91.875,102.925 R53.2@91.875,101.925 ; 97.707,81.194 97.755,81.242 97.755,82.105 U5.87@97.775,82.125 ; U5.43@99.775,66.675 99.778,66.678 99.778,67.725 99.986,67.933 v4(99.986,68.014) ; R27.2@103.15,101.925 v2(103.15,103.025) ; 103.975,72.925 104,72.9 U5.60@105,72.9 ; v2(106.838,103.087) 107.45,102.475 107.65,102.475 107.95,102.175 R28.2@107.95,101.925 ; R29.2@109.45,101.925 109.45,102.175 109.75,102.475 109.843,102.475 v2(110.321,102.954) ; R30.2@114.25,101.925 v2(114.25,103.025)
  Top Layer w0.3: 90.4,72.4 90.575,72.225 90.575,72.172 90.775,71.972 v6(90.775,71.864) ; 90.9,75.4 v2(91.6,76.1) ; v2(96.95,80.875) 97.007,80.932 97.513,80.932 97.707,81.127 97.707,81.194 ; v2(103.525,73.375) 103.975,72.925
  Top Layer w0.4: R7.1@61.925,126.575 v1(62.8,126.575) ; R8.1@72.425,126.6 72.45,126.575 v1(73.35,126.575) ; D7.2@78.025,104.325 78.032,104.318 79.187,104.318 v1(79.194,104.31) ; D5.2@100.425,104 101.613,104 v1(101.665,103.948) ; R26.1@113.991,91.009 114.241,91.009 114.907,91.675 v1(114.975,91.675)
  Top Layer w0.5: C103.1@65.15,107.125 65.15,106.925 65.668,106.407 65.768,106.407 v1(65.825,106.35) ; R96.2@109.35,62.775 v1(109.35,63.9) ; J2.1@112.35,56.85 v1(112.35,57.85) ; R97.2@116.375,62.75 116.4,62.725 116.4,61.6 v1(116.425,61.575)
  Bottom Layer w0.25: v2(80.775,103.1) 80.775,103.15 81.025,103.4 84.141,103.4 84.454,103.087 v2(84.463,103.087) ; v2(87.875,102.975) 87.97,102.975 88.395,103.4 91.475,103.4 91.8,103.075 v2(91.85,103.075) ; C27.1@102.65,73.35 C27.1@102.675,73.375 ; v2(103.15,103.025) 103.525,103.4 C47.1@104.75,103.4 106.516,103.4 106.829,103.087 v2(106.838,103.087) ; v2(110.321,102.954) 110.768,103.4 C48.1@112.6,103.4 113.875,103.4 v2(114.25,103.025)
  Bottom Layer w0.3: FB3.1@88.225,110.501 88.299,110.575 C68.1@90.175,110.575 ; C28.1@96.95,80.025 v2(96.95,80.875) ; FB2.1@110.6,110.501 110.699,110.6 C52.1@112.55,110.6 112.525,110.625 v1(112.525,111.6)
  Bottom Layer w0.4: U14.15@65.825,105.325 v1(65.825,106.35) ; R86.1@72.25,75.975 72.25,76.225 72.475,76.45 72.725,76.45 72.773,76.498 72.948,76.498 v1(73.025,76.575) ; C68.1@90.175,110.575 v1(90.175,111.6) ; v2(91.6,76.1) 91.575,76.075 91.575,75.175 C25.1@91.55,75.15 91.825,74.875 91.825,74.565 92.087,74.303 v6(92.087,74.222) ; v6(95.892,79.7) 95.95,79.757 96.682,79.757 C28.1@96.95,80.025 ; v4(99.986,68.014) 100.015,68.043 100.068,68.043 100.65,68.625 C26.1@100.65,68.825 ; C27.1@102.675,73.375 v2(103.525,73.375)
  Bottom Layer w0.5: v2(77.3,60.275) 77.319,60.294 77.744,60.294 78.375,60.925 FB4.1@78.425,60.925 ; v1(86.3,106.8) 86.3,106.732 86.675,106.357 86.675,105.9 R37.2@86.825,105.75 ; R103.2@88.5,61.425 88.5,61.5 88.825,61.825 C95.1@88.825,63.4 C96.1@88.825,65.55 88.812,65.563 88.812,67.488 v2(88.8,67.5) ; v6@90.832,71.593 91.35,71.075 FB1.2@91.374,71.075 ; v2(97.15,85.7) 97.169,85.719 97.169,85.769 97.825,86.425 R9.2@97.825,86.675 ; C26.1@100.65,68.825 C24.1@100.65,70.975 100.875,71.2 100.875,71.775 101.3,72.2 v6(101.975,72.2) ; v1(108.7,106.825) 108.7,106.744 109.05,106.394 109.05,105.9 R13.2@109.2,105.75
  other v2: 108.5,41.2 109.25,41.2 110,41.2 110.75,41.2 108.5,42.05 109.25,42.05 110,42.05 110.75,42.05
3.3V_A: C22.1 C23.2 FB1.1 R5.1 U5.33 | length 8.4
  Top Layer w0.25: U5.33@94.775,66.675 94.775,67.6
  Top Layer w0.3: 94.775,67.6 v4(94.775,68.975)
  Bottom Layer w0.5: C23.2@92.45,69.025 92.462,69.012 94.012,69.012 R5.1@94.025,69 ; FB1.1@92.526,71.075 92.564,71.112 C22.1@94.062,71.112 ; C22.1@94.1,71.15 C22.1@94.062,71.112 ; v4(94.775,68.975) 94.765,68.985 94.04,68.985 R5.1@94.025,69 ; R5.1@94.025,69 94.062,69.037 C22.1@94.062,71.112